# KiCad board LogicBoard_tht2.kicad_pcb (continued)
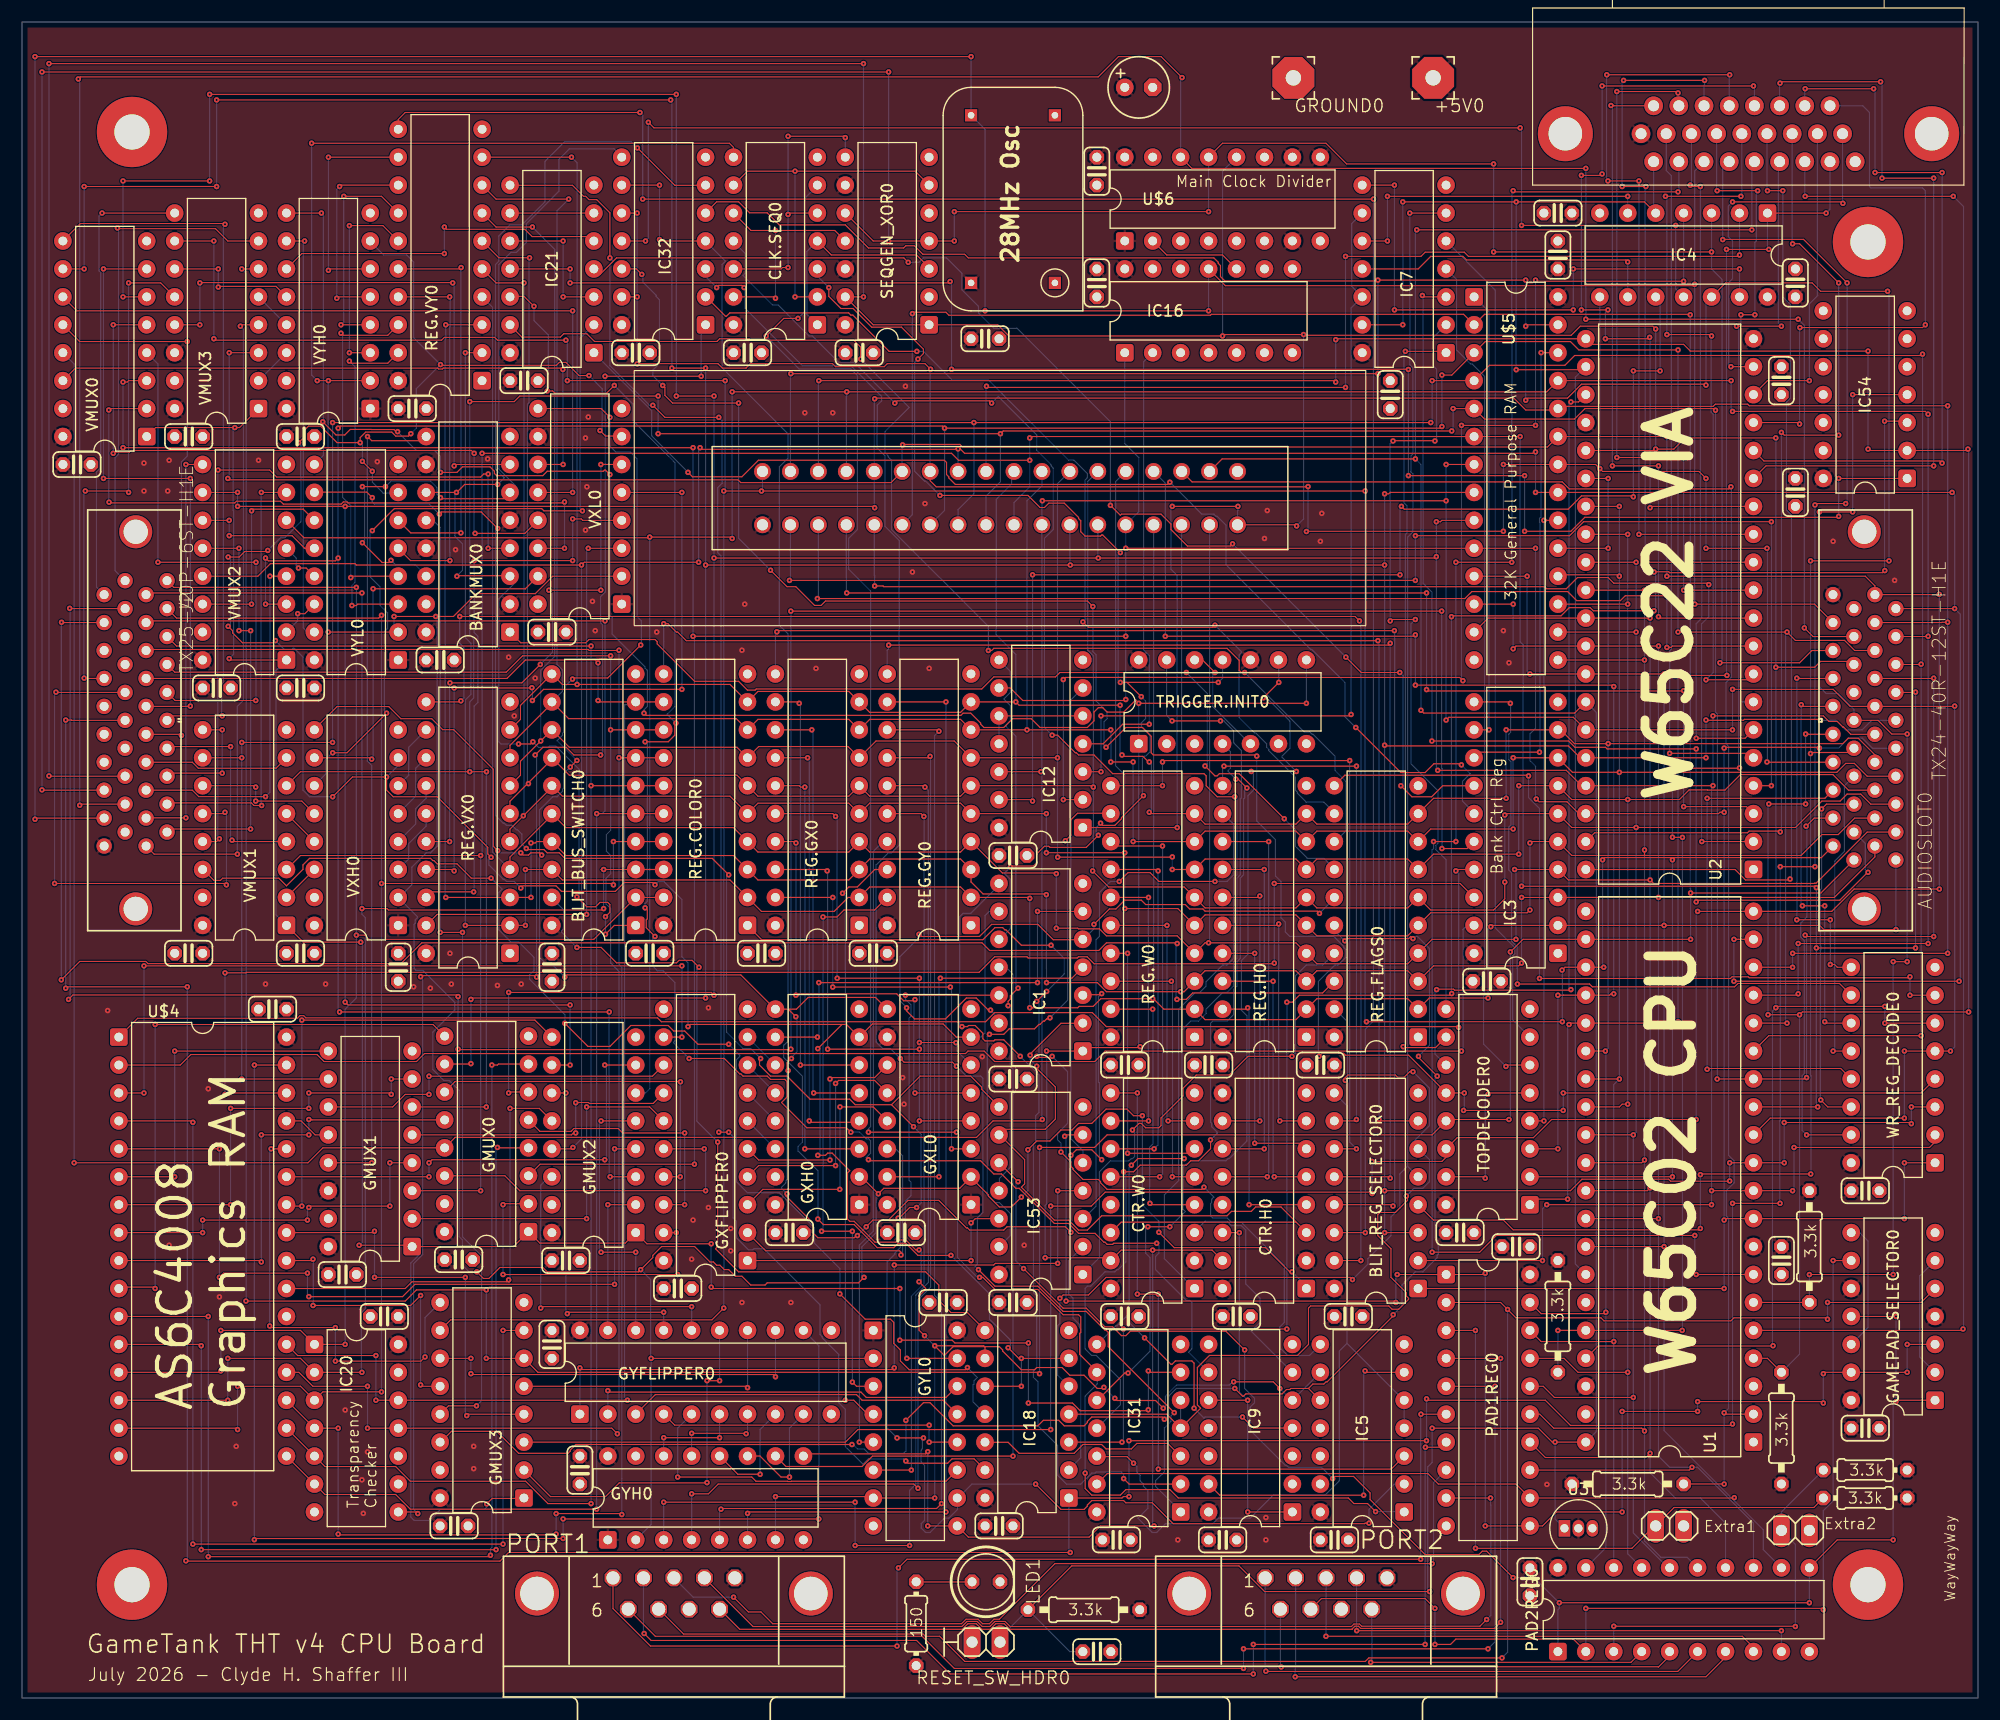
[diagram p0: board, top side]
## Routing (per net, layer and track width the routed paths; a pad name or vN(x,y) marks a point on that pad's centre or on a via; arc(x,y) is an arc through that point) (continued)
Net-(LED1-PadA): length 5.1
  Top w0.102: 86.34,10.55 81.24,10.55
Net-(PAD1REG0A-2D): length 56
  Top w0.102: v1(132.12,13.61) 146.34,13.61 148.37,15.65 EXTRA_BUTTON_1.1 150.18,17.32 162.88,17.32 R7.2 ; PAD1REG0.3 v1(132.12,33.43)
  Bottom w0.102: v1(132.12,33.43) v1(132.12,13.61)
Net-(PAD1REG0A-3D): length 102
  Top w0.102: PORT1.9 65.24,6.25 85.47,6.25 85.98,6.76 86.74,6.76 87.25,6.25 88.01,6.25 88.52,6.76 89.28,6.76 89.79,6.25 120.92,6.25 120.92,6.29 121.16,6.52 121.49,6.52 121.69,6.32 133.85,6.32 v1(134.4,6.88) ; v1(134.4,30.89) PAD1REG0.4
  Bottom w0.102: v1(134.4,30.89) v1(134.4,6.88)
Net-(PAD1REG0A-4D): length 110.7
  Top w0.102: v1(111.04,2.69) 84.75,2.69 81.83,5.61 57.57,5.61 PORT1.6 ; v1(133.9,28.35) PAD1REG0.5 ; v1(111.04,4.47) v1(133.26,4.47)
  Bottom w0.102: v1(133.26,4.47) 133.9,5.11 v1(133.9,28.35) ; v1(111.04,2.69) v1(111.04,4.47)
Net-(PAD1REG0A-5D): length 100.5
  Top w0.102: PORT1.1 53.72,8.13 57.13,4.72 v1(79.54,4.72) ; v1(79.67,11.84) 80.45,12.62 v1(127.14,12.62) ; PAD1REG0.6 v1(127.17,25.81)
  Bottom w0.102: v1(79.67,11.84) 79.54,11.71 v1(79.54,4.72) ; v1(127.17,25.81) 127.14,25.78 v1(127.14,12.62)
Net-(PAD1REG0A-6D): length 100.3
  Top w0.102: v1(127.57,22.8) 128.99,22.8 PAD1REG0.7 ; v1(111.93,2.18) 84.37,2.18 81.32,5.23 57.19,5.23 v1(56.55,5.87) ; v1(111.93,4.87) v1(127.55,4.87)
  Bottom w0.102: PORT1.2 56.49,5.93 v1(56.55,5.87) ; v1(111.93,2.18) v1(111.93,4.87) ; v1(127.57,22.8) 127.55,22.78 v1(127.55,4.87)
Net-(PAD1REG0A-7D): length 82.3
  Top w0.102: v1(128.18,12.22) 93.89,12.22 88.84,7.16 88.35,7.16 87.94,6.76 87.32,6.76 86.91,7.16 85.81,7.16 85.4,6.76 68.24,6.76 67.17,7.82 66.03,7.82 v1(64.68,9.17)
  Bottom w0.102: PORT1.3 61.01,9.17 v1(64.68,9.17) ; PAD1REG0.8 128.31,19.58 128.31,12.34 v1(128.18,12.22)
Net-(PAD1REG0A-8D): length 89.4
  Top w0.102: PORT1.4 66.45,6.5 85.44,6.5 85.9,6.96 86.82,6.96 87.28,6.5 87.98,6.5 88.44,6.96 89.36,6.96 89.82,6.5 120.85,6.5 121.07,6.73 121.57,6.73 121.77,6.53 132.53,6.53 v1(133.13,7.14) ; v1(133.49,18.19) PAD1REG0.9
  Bottom w0.102: v1(133.13,7.14) 133.52,7.52 133.52,17.53 133.49,17.55 v1(133.49,18.19)
Net-(PAD2REG0A-2D): length 35.2
  Top w0.102: v1(144.69,6.52) 161.18,6.52 v1(161.2,6.5)
  Bottom w0.102: PAD2REG0.3 v1(144.69,6.52) ; R6.2 159.93,16.92 EXTRA_BUTTON_2.1 161.2,13.97 v1(161.2,6.5)
Net-(PAD2REG0A-3D): length 29.9
  Top w0.102: PAD2REG0.4 146.25,3.24 v1(122.59,3.24)
  Bottom w0.102: PORT2.9 122.69,3.35 v1(122.59,3.24)
Net-(PAD2REG0A-4D): length 41.4
  Top w0.102: v1(114.47,2.82) 114.49,2.84 148.73,2.84 148.76,2.82 149.77,3.84 PAD2REG0.5
  Bottom w0.102: v1(114.47,2.82) 114.39,2.9 PORT2.6
Net-(PAD2REG0A-5D): length 48.5
  Top w0.102: PAD2REG0.6 150.51,2.42 113.09,2.42 v1(113.07,2.44)
  Bottom w0.102: v1(113.07,2.44) 113,2.5 PORT2.1
Net-(PAD2REG0A-6D): length 49.4
  Top w0.102: PAD2REG0.7 154.85,3.71 153.07,1.93 v1(115.74,1.93)
  Bottom w0.102: v1(115.74,1.93) 115.74,2.95 115.77,2.98 PORT2.2
Net-(PAD2REG0A-7D): length 45
  Top w0.102: v1(118.53,5.61) 156.38,5.61 157.39,4.6 PAD2REG0.8
  Bottom w0.102: v1(118.53,5.61) 118.54,5.63 PORT2.3
Net-(PAD2REG0A-8D): length 45.3
  Top w0.102: v1(121.32,6.12) v1(159.93,6.12)
  Bottom w0.102: v1(159.93,6.12) PAD2REG0.9 ; v1(121.32,6.12) 121.31,6.13 PORT2.4
Net-(REG.VX0A-1Q): length 51.4
  Top w0.102: REG.VX0.19 37.73,71.25 v1(51.32,71.25) ; v1(51.47,104.55) VXL0.3
  Bottom w0.102: v1(51.32,71.25) 51.32,104.4 v1(51.47,104.55)
Net-(REG.VX0A-2Q): length 52.2
  Top w0.102: VXL0.4 50.97,107.09 50.84,107.21 v1(50.05,107.21) ; REG.VX0.18 37.24,73.3 v1(41.06,73.3) ; v1(41.1,103.43) v1(50.05,103.43)
  Bottom w0.102: v1(50.05,103.43) v1(50.05,107.21) ; v1(41.06,73.3) 41.1,73.35 41.1,90.2 41.44,90.53 41.44,96.55 41.1,96.88 v1(41.1,103.43)
Net-(REG.VX0A-3Q): length 64.9
  Top w0.102: v1(39.28,91.84) 46.32,91.84 v1(46.35,91.87) ; REG.VX0.17 39.15,75.34 v1(39.28,75.21) ; v1(59.98,91.72) 47.41,91.72 v1(46.39,90.7) ; v1(59.98,109.63) VXL0.5
  Bottom w0.102: v1(46.39,90.7) 46.39,91.82 v1(46.35,91.87) ; v1(39.28,91.84) 39.28,91.84 v1(39.28,75.21) ; v1(59.98,91.72) v1(59.98,109.63)
Net-(REG.VX0A-4Q): length 50.9
  Top w0.102: v1(47.9,100.74) v1(52.62,100.74) ; REG.VX0.16 v1(38.87,77.88) ; v1(52.62,112.17) VXL0.6 ; v1(38.9,92.31) 45.44,92.31 v1(47.12,93.98)
  Bottom w0.102: v1(47.12,93.98) 48.22,95.09 48.22,100.41 v1(47.9,100.74) ; v1(52.62,100.74) v1(52.62,112.17) ; v1(38.9,92.31) 38.87,92.28 v1(38.87,77.88)
Net-(REG.VX0A-5Q): length 6.1
  Bottom w0.102: VXH0.3 35.15,76.29 35.15,77.7 36.74,79.29 REG.VX0.15
Net-(REG.VX0A-6Q): length 6.1
  Bottom w0.102: VXH0.4 35.78,79.46 35.78,80.87 36.74,81.83 REG.VX0.14
Net-(REG.VX0A-7Q): length 6.1
  Bottom w0.102: REG.VX0.13 35.78,84.54 35.78,82 VXH0.5
Net-(REG.VX0A-8Q): length 6.1
  Bottom w0.102: REG.VX0.12 35.15,86.45 35.15,83.91 VXH0.6
Net-(REG.VY0A-1Q): length 31.7
  Top w0.102: v1(29.76,121.56) 29.95,121.37 33.25,121.37 REG.VY0.19 ; VYL0.3 30.52,99.47 30.39,99.34 v1(29.99,99.34)
  Bottom w0.102: v1(29.76,121.56) 30.29,121.03 30.29,101.45 29.99,101.16 v1(29.99,99.34)
Net-(REG.VY0A-2Q): length 32.6
  Top w0.102: v1(28.99,124.1) 29.18,123.91 33.25,123.91 REG.VY0.18 ; v1(29.88,101.88) 30.01,102.01 VYL0.4
  Bottom w0.102: v1(29.88,101.88) 29.88,108.42 29.14,109.16 29.14,123.96 v1(28.99,124.1)
Net-(REG.VY0A-3Q): length 33.9
  Top w0.102: v1(38.9,103.43) 35.32,103.43 VYL0.5 ; v1(38.88,127.41) REG.VY0.17
  Bottom w0.102: v1(38.9,103.43) 38.9,104.17 38.88,104.19 38.88,124.66 38.92,124.7 38.92,127.36 v1(38.88,127.41)
Net-(REG.VY0A-4Q): length 36.1
  Top w0.102: VYL0.6 35.34,105.94 v1(39.89,105.94) ; REG.VY0.16 39.79,129.95 v1(39.92,130.07)
  Bottom w0.102: v1(39.92,130.07) 39.89,130.05 v1(39.89,105.94)
Net-(REG.VY0A-5Q): length 18.5
  Top w0.102: v1(29.76,133.88) 32.8,133.88 REG.VY0.15 ; VYH0.3 v1(29.76,122.33)
  Bottom w0.102: v1(29.76,122.33) v1(29.76,133.88)
Net-(REG.VY0A-6Q): length 20
  Top w0.102: VYH0.4 v1(28.99,124.87) ; v1(29.25,136.55) 32.68,136.55 REG.VY0.14
  Bottom w0.102: v1(29.25,136.55) 29.25,125.12 v1(28.99,124.87)
Net-(REG.VY0A-7Q): length 18.8
  Top w0.102: VYH0.5 28.74,127.41 v1(28.61,127.28) ; v1(28.87,137.44) 28.99,137.57 REG.VY0.13
  Bottom w0.102: v1(28.87,137.44) 28.61,137.19 v1(28.61,127.28)
Net-(REG.VY0A-8Q): length 20.5
  Top w0.102: VYH0.6 27.98,129.95 v1(27.85,129.82) ; v1(27.85,140.11) REG.VY0.12
  Bottom w0.102: v1(27.85,129.82) v1(27.85,140.11)
Net-(TRIGGER.INIT0A-Q): length 10.2
  Top w0.102: 106.64,94.35 107.34,94.35 v1(108.44,93.25)
  Bottom w0.102: 111.64,86.75 108.24,90.15 108.24,93.05 v1(108.44,93.25)
Net-(VMUX0A-1A): length 60.3
  Top w0.102: VMUX0.2 8.02,117.25 v1(7.89,117.12) ; v1(49.31,104.55) VXL0.14 ; v1(7.91,108.74) 7.98,108.67 19.34,108.67 19.49,108.82 23.49,108.82 23.76,108.56 29.01,108.56 29.21,108.76 29.54,108.76 29.63,108.67 49.23,108.67 v1(49.31,108.76)
  Bottom w0.102: v1(49.31,108.76) v1(49.31,104.55) ; v1(7.89,117.12) 7.89,108.76 v1(7.91,108.74)
Net-(VMUX0A-2A): length 61.3
  Top w0.102: v1(41.19,105.9) 45.71,105.9 VXL0.13 ; v1(8.29,113.18) 8.4,113.29 9.76,113.29 9.91,113.44 40.85,113.44 v1(41.1,113.18) ; VMUX0.5 v1(8.29,124.87)
  Bottom w0.102: v1(8.29,124.87) v1(8.29,113.18) ; v1(41.1,113.18) 41.1,105.99 v1(41.19,105.9)
Net-(VMUX0A-3A): length 66.5
  Top w0.102: v1(50.05,109.63) VXL0.12 ; v1(50.05,126.14) 4.99,126.14 VMUX0.11
  Bottom w0.102: v1(50.05,126.14) v1(50.05,109.63)
Net-(VMUX0A-4A): length 57
  Top w0.102: VMUX0.14 4.86,120.93 37.79,120.93 37.87,120.85 38.21,120.85 38.29,120.93 49.04,120.93 v1(49.17,120.8) ; v1(49.19,112.17) VXL0.11
  Bottom w0.102: v1(49.19,112.17) 49.17,112.19 v1(49.17,120.8)
Net-(VMUX1A-1A): length 3.6
  Top w0.102: VXH0.14 26.58,75.33 VMUX1.2
Net-(VMUX1A-2A): length 3.6
  Top w0.102: VXH0.13 24.04,80.41 VMUX1.5
Net-(VMUX1A-3A): length 12
  Top w0.102: VMUX1.11 21.12,82.96 v1(21.25,82.83) ; VXH0.12 25.43,81.56 v1(21.25,81.56)
  Bottom w0.102: v1(21.25,81.56) v1(21.25,82.83)
Net-(VMUX2A-1A): length 4
  Top w0.102: v1(25.06,98.6) 25.71,98.6 VYL0.14
  Bottom w0.102: VMUX2.2 25.06,97.95 v1(25.06,98.6)
Net-(VMUX2A-2A): length 4
  Top w0.102: v1(25.13,102.75) 25.84,102.75 VYL0.13
  Bottom w0.102: v1(25.13,102.75) 24.93,102.95 24.93,103.65 VMUX2.5
Net-(VMUX2A-3A): length 12
  Top w0.102: VYL0.12 25.69,104.55 24.55,105.69 v1(18.83,105.69) ; VMUX2.11 v1(18.83,107.09)
  Bottom w0.102: v1(18.83,107.09) v1(18.83,105.69)
Net-(VMUX2A-4A): length 19.1
  Top w0.102: VYL0.11 25.56,108.1 21.01,108.1 v1(20.87,107.95) ; VMUX2.14 v1(20.87,99.47)
  Bottom w0.102: v1(20.87,99.47) v1(20.87,107.95)
Net-(VMUX3A-1A): length 3.6
  Bottom w0.102: VYH0.14 24.04,122.33 VMUX3.2
Net-(VMUX3A-2A): length 3.6
  Bottom w0.102: VYH0.13 24.04,124.87 VMUX3.5
Net-(VMUX3A-3A): length 12.2
  Top w0.102: VMUX3.11 v1(17.84,129.95) ; VYH0.12 23.09,128.36 17.9,128.36 v1(17.84,128.3)
  Bottom w0.102: v1(17.84,129.95) v1(17.84,128.3)
Net-(VXH0A-ENT): length 36.3
  Top w0.102: VXH0.10 31.66,85.5 v1(31.79,85.37) ; v1(31.92,100.86) 45.76,100.86 45.76,100.87 VXL0.15
  Bottom w0.102: v1(31.92,100.86) 31.92,85.5 v1(31.79,85.37)
Net-(VYH0A-ENT): length 38.1
  Top w0.102: VYH0.10 v1(25.69,132.49)
  Bottom w0.102: VYL0.15 25.95,96.93 25.57,97.31 25.57,132.36 v1(25.69,132.49)

## Copper pours and planes (outline as drawn; the poured copper is in the pictures)
GND on In1.Cu, In2.Cu: 179.15,-2.62 -1.35,-2.62 -1.35,153.75 179.15,153.75
VCC on Top, Bottom: 179.15,-2.62 -1.35,-2.62 -1.35,153.75 179.15,153.75

## Text on the board
B.Silkscreen: GROUND | +5V
F.Fab: 28MHz
F.Silkscreen: WayWayWay | Main Clock Divider | Extra1 | Extra2 | 3.3k | Transparency / Checker | Bank Ctrl Reg | 32K General Purpose RAM | 150 | July 2026 - Clyde H. Shaffer III | 28MHz Osc | GameTank THT v4 CPU Board | AS6C4008 / Graphics RAM | W65C22 VIA | W65C02 CPU
